# Altium PCB XRay PCB.PcbDoc (part 2 of 2)
Units mm, origin at the board's own origin, x right, y up, seen from the top; angles counter-clockwise.
Board outline 209.64 x 101.61 mm, 2 copper layers (Top Layer, Bottom Layer); 224 components, 167 nets, 646 pads, 278 vias.
Unrouted connection lines stored in the file: 112.
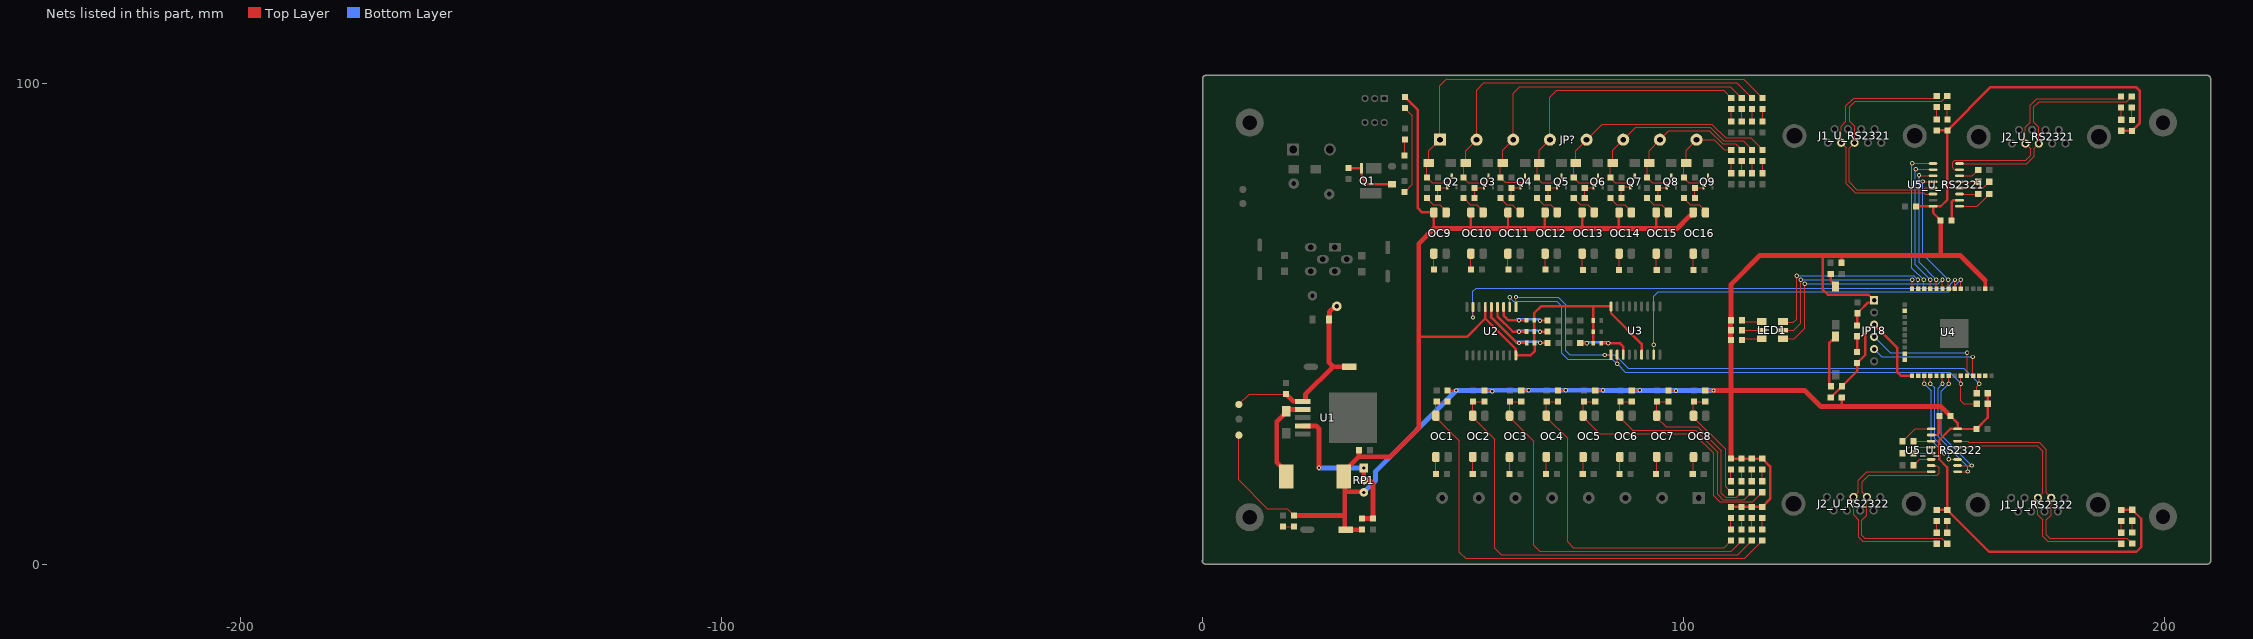
[diagram p2: the nets of this part, all layers, seen from the top]

## Via types
v1: diameter 0.9, hole 0.5, Top Layer to Bottom Layer, tented both sides, 278 vias

## Nets (pads, with @x,y where several pads share a name; then routed paths per layer and width w, separated by ;. In a path a pad name is that pad's centre, name@x,y a point inside that pad or via, vN(x,y) a via of type N, cw(c..) or ccw(c..) an arc to the next point about the centre after c; other vN are vias at no path point) (continued)
I2C2_A2: R73.1 SB4.2 U3.3 | length 12.5
  Top Layer w0.5: R73.1@78.484,46.126 78.509,46.1 79.855,46.1 v1(79.881,46.075) ; SB4.2@82.823,46.074 82.836,46.062 84.313,46.062 v1(84.326,46.049) 86.764,46.049 87.424,45.389 U3.3@87.424,43.691
  Bottom Layer w0.5: v1@79.55,46.303 79.563,46.291 83.983,46.291 v1@83.995,46.278
I2C_A0: R42.2 SB3.2 U2.5 | length 17.7
  Top Layer w0.5: U2.5@60.018,53.614 60.018,51.409 65.224,46.202 65.682,46.202 v1(65.758,46.126) SB3.2@67.366,46.126 ; v1(70.152,46.151) 70.165,46.138 71.638,46.138 R42.2@71.651,46.126
  Bottom Layer w0.5: v1@65.428,46.354 65.441,46.367 69.809,46.367 v1@69.822,46.38
I2C_A1: R43.2 SB2.2 U2.4 | length 15.2
  Top Layer w0.5: U2.4@61.288,53.614 61.288,51.663 64.463,48.488 v1(65.758,48.488) 65.771,48.501 67.302,48.501 SB2.2@67.315,48.514 ; v1(70.127,48.488) 70.14,48.5 71.638,48.5 R43.2@71.651,48.513
  Bottom Layer w0.5: v1@65.428,48.716 v1@69.797,48.716
I2C_A2: R44.1 SB1.2 U2.3 | length 12.9
  Top Layer w0.5: U2.3@62.558,53.614 62.558,51.815 63.548,50.825 v1(65.758,50.825) 65.777,50.843 67.296,50.843 SB1.2@67.315,50.862 ; v1(70.127,50.774) 70.152,50.799 71.626,50.799 R44.1@71.651,50.824
  Bottom Layer w0.5: v1@65.428,51.053 65.453,51.028 69.771,51.028 v1@69.797,51.002
InputeINT: U2.8 U4.7 | length 110.7
  Top Layer w0.254: v1(56.185,51.435) 56.196,51.446 56.196,53.603 U2.8@56.208,53.614 ; U4.7@156.347,57.381 156.388,57.422 v1(156.388,59.233)
  Bottom Layer w0.254: v1(56.185,51.435) 56.185,56.896 56.82,57.531 154.686,57.531 v1(156.388,59.233)
IO0: JP18.3 R91.1 R93.2 R94.2 U4.25 | length 34.1
  Top Layer w0.254: U4.25@147.457,39.347 U4.25@147.47,39.36
  Top Layer w0.5: R91.1@130.573,34.824 R93.2@132.885,37.135 136.06,40.31 R94.2@136.06,41.956 137.742,43.638 137.742,48.088 JP18.3@139.59,49.937 144.371,45.156 144.371,40.08 145.104,39.347 U4.25@147.457,39.347
IO12: LED1.5 U4.14 | length 38.3
  Top Layer w0.254: LED1.5@120.64,48.794 122.886,48.794 124.358,50.267 v1(124.358,59.258) ; U4.14@147.457,57.381 147.498,57.422 v1@147.498,59.182
  Bottom Layer w0.254: v1(124.358,59.258) 124.371,59.271 147.485,59.271 v1(147.498,59.284)
IO14: LED1.6 U4.13 | length 39.5
  Top Layer w0.254: LED1.6@120.752,50.394 122.809,50.394 123.495,51.079 v1(123.495,60.122) ; v1@148.692,59.233 148.692,57.417 U4.13@148.727,57.381
  Bottom Layer w0.254: v1(123.495,60.122) 147.853,60.122 v1(148.692,59.284)
IO33: LED1.4 U4.9 | length 45.5
  Top Layer w0.254: LED1.4@120.64,46.994 122.94,46.994 125.146,49.2 v1(125.146,58.42) ; v1@153.797,59.207 153.797,57.391 U4.9@153.807,57.381
  Bottom Layer w0.254: v1(125.146,58.42) 125.171,58.395 152.908,58.395 v1(153.797,59.284)
LM_In+: C1.2 E1.1 F1.1 F2.1 TP1.1 U1.1 | length 42.1
  Top Layer w0.254: TP1.1@7.516,33.349 9.671,35.505 C1.2@17.339,35.505
  Top Layer w1: C1.2@17.339,35.505 18.844,34 20.797,34 U1.1@20.799,34.001 21.34,34.001 21.365,34.026 21.365,35.44 27.101,41.176 ; F1.1@27.889,53.764 27.698,53.573 27.334,53.573 26.337,52.575 26.337,51.379 26.276,51.319 26.276,42.001 27.101,41.176 ; E1.1@30.491,41.176 27.101,41.176
LM_Out+: C2.2 C5.1 C7_U_RS2321.2 C7_U_RS2322.2 C9_U_RS2321.1 C9_U_RS2322.1 E2.1 JP18.1 L1.2 LED4.1 LED13.1 OC9.4 OC10.4 OC11.4 OC12.4 OC13.4 OC14.4 OC15.4 OC16.4 R1.1 R2.1 R3.1 R4.2 R5.2 R12.1 R13.1 R16.1 R17.1 R20.1 R21.1 R24.1 R25.1 R28.1 R29.1 R32.1 R33.1 R36.1 R37.1 R40.1 R41.1 R61.1 R62.1 R90.2 R91.2 R95_U_RS2321.1 R95_U_RS2322.1 R96_U_RS2321.1 R96_U_RS2322.1 R97_U_RS2321.1 R97_U_RS2322.1 R98_U_RS2321.1 R98_U_RS2322.1 RP1.2 SB1.1 SB2.1 SB3.1 SB4.1 SB5.1 SB6.1 TP2.1 U2.6 U2.18 U3.6 U3.18 U4.2 U5_U_RS2321.16 U5_U_RS2322.16 | length 784.7
  Top Layer w0.254: TP2.1@7.516,26.949 7.516,17.655 13.462,11.709 17.543,11.709 R5.2@19.021,10.232
  Top Layer w0.5: 43.382,95.883 LED4.1@42.034,97.23 44.729,94.535 44.729,74.168 45.621,73.276 OC9.4@48.057,73.276 48.057,69.926 ; 44.907,47.396 54.961,47.396 58.748,51.183 ; R12.1@50.899,36.245 v1(52.73,36.246) ; 55.76,69.995 OC10.4@55.76,73.276 ; R13.1@58.595,36.245 59.964,36.245 60.115,36.093 v1(60.223,36.093) ; U2.6@58.748,53.614 58.748,51.183 ; 63.464,70.013 OC11.4@63.464,73.276 ; R20.1@66.215,36.245 66.228,36.258 67.729,36.258 v1(67.742,36.271) ; 71.095,69.926 OC12.4@71.095,73.204 ; R21.1@73.886,36.245 73.912,36.271 75.463,36.271 v1(75.489,36.297) ; 78.871,70.202 OC13.4@78.871,73.276 ; SB4.1@81.198,46.074 SB5.1@81.198,48.462 81.198,53.741 ; R28.1@81.608,36.245 81.633,36.271 83.185,36.271 v1(83.21,36.297) ; 86.462,69.926 OC14.4@86.462,73.164 ; R29.1@89.202,36.245 89.215,36.258 90.868,36.258 v1(90.881,36.271) ; U3.6@91.234,43.691 91.234,45.951 84.884,52.301 U3.18@84.884,53.741 81.198,53.741 ; 94.278,69.944 OC15.4@94.278,73.276 ; R36.1@96.797,36.245 96.809,36.233 98.387,36.233 v1(98.4,36.22) ; R37.1@104.468,36.245 v1(106.197,36.246) ; R2.1@109.666,48.856 R2.1@109.83,48.693 ; R25.1@109.827,12.064 R24.1@112.014,12.064 R17.1@114.148,12.064 R16.1@116.332,12.064 117.958,13.69 117.958,20.472 R32.1@116.332,22.098 R33.1@114.148,22.098 R40.1@112.014,22.098 R41.1@109.827,22.098 ; 128.88,64.312 128.88,57.252 129.972,56.159 138.448,56.159 JP18.1@139.59,55.017 139.116,54.543 138.304,54.543 136.478,52.717 136.478,52.684 C5.1@136.093,52.299 136.06,52.299 LED13.1@136.06,49.803 ; R90.2@132.834,62.815 132.834,64.312 ; 132.859,32.901 R91.2@132.859,34.824 ; C9_U_RS2321.1@148.285,74.524 151.17,74.524 151.196,74.549 U5_U_RS2321.16@151.834,74.549 ; R97_U_RS2322.1@152.603,11.429 R98_U_RS2322.1@154.788,11.429 ; R96_U_RS2321.1@152.603,90.322 R95_U_RS2321.1@154.813,90.322 ; 153.416,64.363 153.467,64.312 ; C7_U_RS2321.2@153.416,71.628 151.834,73.21 U5_U_RS2321.16@151.834,74.549 ; C7_U_RS2322.2@155.423,30.988 156.928,29.483 U5_U_RS2322.16@156.928,28.27 ; R62.1@163.195,35.687 R61.1@163.195,33.503 163.195,30.607 C9_U_RS2322.1@160.833,28.245 157.592,28.245 157.567,28.27 U5_U_RS2322.16@156.928,28.27 ; R95_U_RS2322.1@190.957,11.429 190.97,11.442 193.256,11.442 195.123,9.575 195.123,3.734 194.107,2.718 163.499,2.718 R98_U_RS2322.1@154.788,11.429 ; R98_U_RS2321.1@190.957,90.245 190.983,90.22 193.142,90.22 R97_U_RS2321.1@193.167,90.195 194.843,91.871 194.843,98.501 194.031,99.314 163.805,99.314 R95_U_RS2321.1@154.813,90.322 154.813,75.921 153.432,74.539 151.844,74.539 U5_U_RS2321.16@151.834,74.549 ; 58.748,51.183 65.098,44.833 U2.18@65.098,43.564 68.177,43.564 68.991,44.379 SB3.1@68.991,46.126 68.966,46.152 68.966,50.837 SB1.1@68.941,50.862 68.941,52.354 70.328,53.741 81.198,53.741 ; R98_U_RS2322.1@154.788,11.429 154.788,20.269 153.111,21.946 153.111,25.959 155.423,28.27 U5_U_RS2322.16@156.928,28.27
  Top Layer w0.8: U4.2@162.697,57.381 162.697,59.121
  Top Layer w1: R5.2@19.021,10.232 29.476,10.232 29.545,10.162 ; L1.2@29.545,17.153 29.545,10.162 ; C2.2@32.483,23.821 32.446,23.784 32.446,22.467 ; R4.2@33.092,7.311 29.695,7.311 29.545,7.461 29.545,10.162 ; RP1.2@33.499,15.058 33.346,15.211 29.596,15.211 29.596,18.102 L1.2@29.339,18.36 29.339,19.36 32.446,22.467 ; 55.76,69.995 55.829,69.926 ; 63.464,70.013 63.551,69.926 ; OC12.4@71.095,73.204 OC12.4@71.167,73.276 ; 78.871,70.202 79.146,69.926 ; OC14.4@86.462,73.164 OC14.4@86.574,73.276 ; 94.278,69.944 94.259,69.926 ; OC16.4@101.981,73.276 101.981,73.074 101.457,72.549 101.254,72.549 98.631,69.926 94.259,69.926 ; v1(106.197,36.246) 109.804,36.246 ; R3.1@109.728,47.092 R1.1@109.728,50.852 ; R3.1@109.804,46.711 109.804,36.246 ; R1.1@109.804,50.852 109.804,58.268 115.849,64.312 128.268,64.312 128.88,64.312 132.834,64.312 153.467,64.312 157.506,64.312 162.697,59.121 ; R41.1@109.827,22.098 109.804,22.121 109.804,36.246 ; 153.416,64.363 C7_U_RS2321.2@153.416,71.628 ; C7_U_RS2322.2@155.423,30.988 153.509,32.901 132.859,32.901 128.541,32.901 125.197,36.246 109.804,36.246 ; 32.446,22.467 39.002,22.467 44.907,28.372 44.907,47.396 44.907,66.777 48.057,69.926 55.829,69.926 ; 55.829,69.926 63.551,69.926 ; 63.551,69.926 71.095,69.926 79.146,69.926 ; 79.146,69.926 86.462,69.926 94.259,69.926
  Bottom Layer w1: RP1.2@33.499,15.058 35.941,17.5 35.941,19.456 v1(52.73,36.246) 59.963,36.246 60.115,36.093 v1(60.223,36.093) ; v1@60.535,36.297 v1(75.489,36.297) v1(83.21,36.297) 83.236,36.271 v1(90.881,36.271) 106.172,36.271 v1(106.197,36.246)
NetC6_U_RS2321_1: C6_U_RS2321.1 U5_U_RS2321.3 | length 3.9
  Top Layer w0.254: U5_U_RS2321.3@157.334,77.089 C6_U_RS2321.1@161.239,77.089
NetC6_U_RS2321_2: C6_U_RS2321.2 U5_U_RS2321.1 | length 7.2
  Top Layer w0.254: U5_U_RS2321.1@157.334,74.549 160.985,74.549 C6_U_RS2321.2@163.525,77.089
NetC6_U_RS2322_1: C6_U_RS2322.1 U5_U_RS2322.3 | length 3.6
  Top Layer w0.254: C6_U_RS2322.1@147.803,25.705 147.828,25.73 U5_U_RS2322.3@151.428,25.73
NetC6_U_RS2322_2: C6_U_RS2322.2 U5_U_RS2322.1 | length 7
  Top Layer w0.254: C6_U_RS2322.2@145.517,25.705 148.082,28.27 U5_U_RS2322.1@151.428,28.27
NetC7_U_RS2321_1: C7_U_RS2321.1 U5_U_RS2321.2 | length 5.6
  Top Layer w0.5: C7_U_RS2321.1@155.702,71.628 155.702,75.413 156.108,75.819 U5_U_RS2321.2@157.334,75.819
NetC7_U_RS2322_1: C7_U_RS2322.1 U5_U_RS2322.2 | length 5.5
  Top Layer w0.5: U5_U_RS2322.2@151.428,27 152.73,27 153.137,27.407 C7_U_RS2322.1@153.137,30.988
NetC8_U_RS2321_1: C8_U_RS2321.1 U5_U_RS2321.4 | length 6.7
  Top Layer w0.254: U5_U_RS2321.4@157.334,78.359 162.23,78.359 C8_U_RS2321.1@163.525,79.654
NetC8_U_RS2321_2: C8_U_RS2321.2 U5_U_RS2321.5 | length 3.9
  Top Layer w0.254: U5_U_RS2321.5@157.334,79.629 161.214,79.629 C8_U_RS2321.2@161.239,79.654
NetC8_U_RS2322_1: C8_U_RS2322.1 U5_U_RS2322.4 | length 6.4
  Top Layer w0.254: C8_U_RS2322.1@145.517,23.216 146.761,24.46 U5_U_RS2322.4@151.428,24.46
NetC8_U_RS2322_2: C8_U_RS2322.2 U5_U_RS2322.5 | length 3.6
  Top Layer w0.254: C8_U_RS2322.2@147.803,23.216 147.828,23.19 U5_U_RS2322.5@151.428,23.19
NetC10_U_RS2321_1: C10_U_RS2321.1 U5_U_RS2321.6 | length 4.4
  Top Layer w0.254: U5_U_RS2321.6@157.334,80.899 160.02,80.899 C10_U_RS2321.1@161.239,82.118
NetC10_U_RS2322_1: C10_U_RS2322.1 U5_U_RS2322.6 | length 4.1
  Top Layer w0.254: C10_U_RS2322.1@147.803,20.701 149.022,21.92 U5_U_RS2322.6@151.428,21.92
NetL1_1: L1.1 U1.2 VD1.2 | length 18.8
  Top Layer w0.5: VD1.2@17.339,31.963 VD1.2@17.677,32.301
  Top Layer w1: L1.1@17.339,18.36 17.339,19.36 15.392,21.307 15.392,29.791 17.339,31.738 VD1.2@17.339,31.963 ; VD1.2@17.677,32.301 U1.2@20.799,32.301
NetLED1_1: LED1.1 R1.2 | length 4.3
  Top Layer w0.254: R1.2@112.09,50.852 112.347,50.594 LED1.1@116.24,50.594
NetLED1_2: LED1.2 R2.2 | length 4.2
  Top Layer w0.254: R2.2@112.09,48.769 112.116,48.794 LED1.2@116.24,48.794
NetLED1_3: LED1.3 R3.2 | length 4.3
  Top Layer w0.254: R3.2@112.09,46.711 112.373,46.994 LED1.3@116.24,46.994
NetLED2_1: LED2.1 R5.1 | length 2.3
  Top Layer w0.254: LED2.1@16.735,7.946 R5.1@19.021,7.946
NetLED3_2: LED3.2 R8.1 | length 3.3
  Top Layer w0.254: R8.1@42.009,85.14 LED3.2@42.009,88.391
  Top Layer w1: R8.1@41.984,85.115 R8.1@42.009,85.14 ; LED3.2@42.009,88.391 LED3.2@42.035,88.417
NetLED4_2: LED4.2 R9.1 | length 18.8
  Top Layer w0.254: R9.1@41.984,77.494 43.612,79.123 43.612,93.367 LED4.2@42.034,94.944
NetLED5_1: LED5.1 R16.2 | length 2.5
  Top Layer w0.254: LED5.1@116.332,7.314 R16.2@116.332,9.778
NetLED5_2: LED5.2 OC1.4 R12.2 R14.2 | length 100.6
  Top Layer w0.254: R12.2@50.899,33.959 R14.2@48.666,33.959 48.489,33.781 OC1.4@48.489,31.011 48.489,30.731 53.365,25.854 53.365,2.667 54.661,1.372 112.675,1.372 LED5.2@116.332,5.028
NetLED6_1: LED6.1 R17.2 | length 2.5
  Top Layer w0.254: LED6.1@114.148,7.314 R17.2@114.148,9.778
NetLED6_2: LED6.2 OC2.4 R13.2 R15.2 | length 90
  Top Layer w0.254: R13.2@58.595,33.959 R15.2@56.233,33.959 56.138,33.864 OC2.4@56.138,31.011 56.138,30.731 60.731,26.137 60.731,3.404 62.052,2.083 111.202,2.083 113.64,4.52 LED6.2@114.148,5.028
NetLED7_1: LED7.1 R24.2 | length 2.5
  Top Layer w0.254: LED7.1@112.014,7.314 R24.2@112.014,9.778
NetLED7_2: LED7.2 OC3.4 R20.2 R22.2 | length 79
  Top Layer w0.254: R20.2@66.215,33.959 R22.2@63.853,33.959 63.787,33.893 OC3.4@63.787,31.011 63.787,30.731 68.809,25.709 68.809,4.089 70.053,2.845 109.83,2.845 LED7.2@112.014,5.028
NetLED8_1: LED8.1 R25.2 | length 2.5
  Top Layer w0.254: LED8.1@109.827,7.314 R25.2@109.827,9.778
NetLED8_2: LED8.2 OC4.4 R21.2 R23.2 | length 68.4
  Top Layer w0.254: R21.2@73.886,33.959 R23.2@71.524,33.959 71.436,33.871 OC4.4@71.436,31.011 71.436,30.731 75.844,26.322 75.844,4.801 77.038,3.607 108.405,3.607 LED8.2@109.827,5.028
NetLED9_1: LED9.1 R32.2 | length 2.4
  Top Layer w0.254: LED9.1@116.332,17.374 R32.2@116.332,19.812
NetLED9_2: LED9.2 OC5.4 R28.2 R30.2 | length 56.2
  Top Layer w0.254: R28.2@81.608,33.959 R30.2@79.245,33.959 79.085,33.798 79.085,30.719 82.525,27.28 102.133,27.28 106.197,23.216 106.197,14.376 107.467,13.106 114.351,13.106 LED9.2@116.332,15.088
NetLED10_1: LED10.1 R33.2 | length 2.4
  Top Layer w0.254: LED10.1@114.148,17.374 R33.2@114.148,19.812
NetLED10_2: LED10.2 OC6.4 R29.2 R31.2 | length 45.9
  Top Layer w0.254: R29.2@89.202,33.959 R31.2@86.84,33.959 86.734,33.853 86.734,30.69 89.433,27.991 102.464,27.991 107.036,23.419 107.036,14.656 108.128,13.564 112.624,13.564 LED10.2@114.148,15.088
NetLED11_1: LED11.1 R40.2 | length 2.4
  Top Layer w0.254: LED11.1@112.014,17.374 R40.2@112.014,19.812
NetLED11_2: LED11.2 OC7.4 R36.2 R38.2 | length 35.8
  Top Layer w0.254: R36.2@96.797,33.959 R38.2@94.435,33.959 94.383,33.907 94.383,30.636 96.317,28.702 102.922,28.702 107.848,23.775 107.848,14.91 108.712,14.046 110.973,14.046 LED11.2@112.014,15.088
NetLED12_1: LED12.1 R41.2 | length 2.4
  Top Layer w0.254: LED12.1@109.827,17.374 R41.2@109.827,19.812
NetLED12_2: LED12.2 OC8.4 R37.2 R39.2 | length 24.5
  Top Layer w0.254: R37.2@104.468,33.959 R39.2@102.105,33.959 102.032,33.885 102.032,30.658 108.687,24.003 108.687,16.228 LED12.2@109.827,15.088
NetLED13_2: LED13.2 R94.1 | length 3.3
  Top Layer w0.5: R94.1@136.06,44.242 LED13.2@136.06,47.517
NetLED14_U_RS2321_1: LED14_U_RS2321.1 R95_U_RS2321.2 | length 2.6
  Top Layer w0.254: LED14_U_RS2321.1@154.788,95.148 154.788,92.582 R95_U_RS2321.2@154.813,92.557
NetLED14_U_RS2322_1: LED14_U_RS2322.1 R95_U_RS2322.2 | length 2.5
  Top Layer w0.254: LED14_U_RS2322.1@190.957,6.679 R95_U_RS2322.2@190.957,9.143
NetLED15_U_RS2321_1: LED15_U_RS2321.1 R96_U_RS2321.2 | length 2.6
  Top Layer w0.254: R96_U_RS2321.2@152.603,92.608 LED15_U_RS2321.1@152.603,95.199
NetLED15_U_RS2322_1: LED15_U_RS2322.1 R96_U_RS2322.2 | length 2.5
  Top Layer w0.254: LED15_U_RS2322.1@193.243,6.705 R96_U_RS2322.2@193.243,9.169
NetLED16_U_RS2321_1: LED16_U_RS2321.1 R97_U_RS2321.2 | length 2.6
  Top Layer w0.254: LED16_U_RS2321.1@193.142,95.071 193.142,92.506 R97_U_RS2321.2@193.167,92.481
NetLED16_U_RS2322_1: LED16_U_RS2322.1 R97_U_RS2322.2 | length 2.5
  Top Layer w0.254: LED16_U_RS2322.1@152.603,6.679 R97_U_RS2322.2@152.603,9.143
NetLED17_U_RS2321_1: LED17_U_RS2321.1 R98_U_RS2321.2 | length 2.6
  Top Layer w0.254: LED17_U_RS2321.1@190.932,95.098 190.932,92.557 R98_U_RS2321.2@190.957,92.531
NetLED17_U_RS2322_1: LED17_U_RS2322.1 R98_U_RS2322.2 | length 2.5
  Top Layer w0.254: LED17_U_RS2322.1@154.788,6.679 R98_U_RS2322.2@154.788,9.143
NetLEDR1_1: LEDR1.1 R45.1 | length 2.6
  Top Layer w0.254: R45.1@116.383,92.177 LEDR1.1@116.383,94.767
NetLEDR2_1: LEDR2.1 R46.1 | length 2.6
  Top Layer w0.254: R46.1@114.198,92.177 LEDR2.1@114.198,94.767
NetLEDR3_1: LEDR3.1 R55.1 | length 2.6
  Top Layer w0.254: R55.1@112.065,92.177 LEDR3.1@112.065,94.767
NetLEDR4_1: LEDR4.1 R58.1 | length 2.6
  Top Layer w0.254: R58.1@109.88,92.114 LEDR4.1@109.88,94.705
NetLEDR5_1: LEDR5.1 R67.1 | length 2.6
  Top Layer w0.254: R67.1@116.383,81.407 LEDR5.1@116.383,83.998
NetLEDR6_1: LEDR6.1 R70.1 | length 2.6
  Top Layer w0.254: R70.1@114.198,81.407 LEDR6.1@114.198,83.998
NetLEDR7_1: LEDR7.1 R80.1 | length 2.6
  Top Layer w0.254: R80.1@112.065,81.407 LEDR7.1@112.065,83.998
NetLEDR8_1: LEDR8.1 R83.1 | length 2.6
  Top Layer w0.254: R83.1@109.878,81.407 LEDR8.1@109.878,83.998
NetOC1_1: OC1.1 R10.1 | length 3.6
  Top Layer w0.254: OC1.1@48.489,22.431 48.489,19.304 R10.1@48.844,18.948
NetOC2_1: OC2.1 R11.1 | length 3.6
  Top Layer w0.254: OC2.1@56.138,22.431 56.138,19.278 R11.1@56.468,18.948
NetOC3_1: OC3.1 R18.1 | length 3.6
  Top Layer w0.254: OC3.1@63.787,22.431 63.787,19.253 R18.1@64.091,18.948
NetOC4_1: OC4.1 R19.1 | length 3.6
  Top Layer w0.254: OC4.1@71.436,22.431 71.436,19.228 R19.1@71.715,18.948
NetOC5_1: OC5.1 R26.1 | length 3.5
  Top Layer w0.254: R26.1@79.008,18.923 79.085,18.999 OC5.1@79.085,22.431
NetOC6_1: OC6.1 R27.1 | length 3.6
  Top Layer w0.254: R27.1@86.632,18.923 86.734,19.025 OC6.1@86.734,22.431
NetOC7_1: OC7.1 R34.1 | length 3.6
  Top Layer w0.254: R34.1@94.256,18.923 94.383,19.05 OC7.1@94.383,22.431
NetOC8_1: OC8.1 R35.1 | length 3.6
  Top Layer w0.254: R35.1@101.879,18.923 102.032,19.075 OC8.1@102.032,22.431
NetOC9_1: OC9.1 R47.1 | length 3.3
  Top Layer w0.254: R47.1@48.057,61.366 OC9.1@48.057,64.696
NetOC9_3: OC9.3 R51.2 | length 5.4
  Top Layer w0.254: R51.2@46.609,76.251 47.963,74.897 49.257,74.897 50.597,73.556 OC9.3@50.597,73.276
NetOC10_1: OC10.1 R49.1 | length 3.3
  Top Layer w0.254: OC10.1@55.76,64.696 55.76,61.406 R49.1@55.8,61.366
NetOC10_3: OC10.3 R52.2 | length 5.5
  Top Layer w0.254: R52.2@54.229,76.276 55.596,74.909 56.947,74.909 58.3,73.556 OC10.3@58.3,73.276
NetOC11_1: OC11.1 R56.1 | length 3.4
  Top Layer w0.254: OC11.1@63.464,64.696 63.464,61.446 R56.1@63.543,61.366
NetOC11_3: OC11.3 R63.2 | length 5.4
  Top Layer w0.254: R63.2@61.871,76.251 63.225,74.897 64.383,74.897 65.23,74.051 65.366,74.051 66.004,73.413 OC11.3@66.004,73.276
NetOC12_1: OC12.1 R59.1 | length 3.4
  Top Layer w0.254: OC12.1@71.167,64.696 71.167,61.486 R59.1@71.287,61.366
NetOC12_3: OC12.3 R64.2 | length 5.6
  Top Layer w0.254: R64.2@69.502,76.251 70.856,74.897 72.367,74.897 73.707,73.556 OC12.3@73.707,73.276
NetOC13_1: OC13.1 R68.1 | length 3.4
  Top Layer w0.254: OC13.1@78.871,64.696 78.871,61.54 R68.1@79.07,61.341
NetOC13_3: OC13.3 R76.2 | length 5.7
  Top Layer w0.254: R76.2@77.133,76.251 78.487,74.897 80.07,74.897 81.411,73.556 OC13.3@81.411,73.276
NetOC14_1: OC14.1 R74.1 | length 3.4
  Top Layer w0.254: R74.1@86.563,61.341 86.574,61.352 OC14.1@86.574,64.696
NetOC14_3: OC14.3 R77.2 | length 5.7
  Top Layer w0.254: R77.2@84.764,76.251 86.118,74.897 87.774,74.897 89.114,73.556 OC14.3@89.114,73.276
NetOC15_1: OC15.1 R81.1 | length 3.4
  Top Layer w0.254: OC15.1@94.278,64.696 94.278,61.424 R81.1@94.386,61.316
NetOC15_3: OC15.3 R86.2 | length 5.8
  Top Layer w0.254: R86.2@92.394,76.251 93.749,74.897 95.477,74.897 96.818,73.556 OC15.3@96.818,73.276
NetOC16_1: OC16.1 R84.1 | length 3.4
  Top Layer w0.254: OC16.1@101.981,64.696 101.981,61.341 R84.1@102.006,61.316
NetOC16_3: OC16.3 R87.2 | length 5.9
  Top Layer w0.254: R87.2@100.025,76.251 101.379,74.897 103.181,74.897 104.521,73.556 OC16.3@104.521,73.276
NetQ1_4: Q1.4 R7.2 Z1.1 | length 12.4
  Top Layer w0.5: R7.2@30.635,82.275 30.859,82.498 R7.2@30.593,82.498 ; Z1.1@39.342,79.145 34.429,79.145 33.018,80.556 Q1.4@33.018,82.457 30.635,82.457 R7.2@30.593,82.498 ; R7.2@30.593,82.498 R7.2@30.325,82.498 R7.2@30.593,82.498
NetQ2_1: Q2.1 R48.2 R51.1 | length 4.2
  Top Layer w0.254: R51.1@48.895,76.251 R48.2@48.895,78.359 ; R48.2@48.895,78.359 50.743,78.359 50.841,78.457 Q2.1@50.841,78.562
NetQ3_1: Q3.1 R50.2 R52.1 | length 4.2
  Top Layer w0.254: R52.1@56.515,76.276 R50.2@56.515,78.384 ; R50.2@56.515,78.384 58.348,78.384 58.446,78.482 Q3.1@58.446,78.562
NetQ4_1: Q4.1 R57.2 R63.1 | length 4.1
  Top Layer w0.254: R63.1@64.157,76.251 R57.2@64.157,78.359 ; R57.2@64.157,78.359 65.954,78.359 66.052,78.457 Q4.1@66.052,78.562
NetQ5_1: Q5.1 R60.2 R64.1 | length 4.1
  Top Layer w0.254: R64.1@71.788,76.251 R60.2@71.787,78.359 73.559,78.359 73.657,78.457 Q5.1@73.657,78.562
NetQ6_1: Q6.1 R69.2 R76.1 | length 4.1
  Top Layer w0.254: R76.1@79.419,76.251 R69.2@79.418,78.359 81.165,78.359 81.263,78.457 Q6.1@81.263,78.562
NetQ7_1: Q7.1 R75.2 R77.1 | length 4
  Top Layer w0.254: R77.1@87.05,76.251 R75.2@87.049,78.359 87.253,78.562 Q7.1@88.868,78.562
NetQ8_1: Q8.1 R82.2 R86.1 | length 4
  Top Layer w0.254: R86.1@94.68,76.251 R82.2@94.68,78.359 96.376,78.359 96.474,78.457 Q8.1@96.474,78.562
NetQ9_1: Q9.1 R85.2 R87.1 | length 4
  Top Layer w0.254: R87.1@102.311,76.251 R85.2@102.311,78.359 103.981,78.359 104.079,78.457 Q9.1@104.079,78.562
NetR4_1: R4.1 R6.2 RP1.1 RP1.ADJ U1.4 | length 35.4
  Top Layer w0.254: R4.1@33.147,9.652 R4.1@33.172,9.627
  Top Layer w1: U1.4@20.799,28.901 23.594,28.901 24.18,28.315 v1(24.18,20.17) ; R4.1@33.172,9.627 R6.2@35.433,9.627 35.433,16.865 34.847,17.451 33.646,17.451 RP1.ADJ@33.499,17.598 RP1.1@33.499,20.138
  Bottom Layer w1: v1(24.18,20.17) 33.467,20.17 RP1.1@33.499,20.138
NetR92_1: R92.1 SW2.1 | length 3.1
  Top Layer w0.5: R92.1@130.556,60.479 130.556,59.094 131.039,58.611 131.072,58.611 131.572,58.111 SW2.1@131.572,57.861
NetR93_1: R93.1 SW3.1 | length 11.2
  Top Layer w0.5: R93.1@130.599,37.135 130.249,37.486 130.249,46.158 130.822,46.731 131.072,46.731 131.572,47.231 SW3.1@131.572,47.481
NetU4_16: U4.16
NetU4_23: U4.23
NetU4_24: U4.24
NetU4_26: U4.26
NetU4_29: U4.29
NetU4_37: U4.37
OutputINT: U3.8 U4.6 | length 79.3
  Top Layer w0.254: U3.8@93.774,43.691 U3.8@93.774,43.691 93.776,45.744 v1(93.777,45.745) ; v1(157.607,59.258) 157.607,57.391 U4.6@157.617,57.381
  Bottom Layer w0.254: v1(93.777,45.745) 93.777,55.855 94.666,56.744 155.118,56.744 v1@157.607,59.233
ROUT1: D1.1 JP?.1@49.327,88.392 LEDR1.2 Q2.3 R53.2 | length 96.3
  Top Layer w0.254: Q2.3@51.791,80.83 51.74,80.779 51.74,79.781 51.384,79.426 47.676,79.426 R53.2@46.609,80.493 46.609,83.148 D1.1@47.001,83.541 47.001,86.067 JP?.1@49.327,88.392 49.327,99.619 50.673,100.965 112.471,100.965 LEDR1.2@116.383,97.053
ROUT2: D2.1 JP?.2@56.947,88.392 LEDR2.2 Q3.3 R54.2 | length 85.2
  Top Layer w0.254: Q3.3@59.396,80.83 59.396,79.868 59.004,79.477 55.256,79.477 R54.2@54.24,80.493 54.24,83.083 D2.1@54.698,83.541 54.698,86.143 JP?.2@56.947,88.392 56.947,98.704 58.42,100.178 111.074,100.178 LEDR2.2@114.198,97.053
ROUT3: D3.1 JP?.3@64.567,88.392 LEDR3.2 Q4.3 R65.2 | length 74.5
  Top Layer w0.254: Q4.3@67.002,80.83 67.031,80.801 67.031,79.832 66.7,79.502 62.862,79.502 R65.2@61.871,80.493 61.871,82.992 D3.1@62.419,83.541 62.419,86.244 JP?.3@64.567,88.392 64.567,98.095 65.913,99.441 109.677,99.441 LEDR3.2@112.065,97.053
ROUT4: D4.1 JP?.4@72.187,88.392 LEDR4.2 Q5.3 R66.2 | length 63.1
  Top Layer w0.254: D4.1@69.988,83.058 69.952,83.095 69.804,83.095 69.502,82.793 R66.2@69.502,80.493 70.518,79.477 74.295,79.477 74.607,79.789 Q5.3@74.607,80.83 ; D4.1@69.988,83.541 69.988,86.194 JP?.4@72.187,88.392 72.187,97.18 73.635,98.628 108.303,98.628 LEDR4.2@109.878,97.053
ROUT5: D5.1 JP?.5@79.807,88.392 LEDR5.2 Q6.3 R78.2 | length 55.8
  Top Layer w0.254: Q6.3@82.213,80.83 82.245,80.798 82.245,79.883 81.839,79.477 78.149,79.477 R78.2@77.133,80.493 77.133,83.116 77.57,83.553 77.57,86.125 79.807,88.362 JP?.5@79.807,88.392 83.033,91.618 105.867,91.618 108.737,88.748 113.919,88.748 LEDR5.2@116.383,86.284
ROUT6: D6.1 JP?.6@87.427,88.392 LEDR6.2 Q7.3 R79.2 | length 45.4
  Top Layer w0.254: Q7.3@89.818,80.83 89.84,80.808 89.84,79.858 89.459,79.477 85.78,79.477 R79.2@84.764,80.493 84.764,83.05 D6.1@85.254,83.541 85.254,86.219 JP?.6@87.427,88.392 89.992,90.957 105.537,90.957 108.356,88.138 112.344,88.138 LEDR6.2@114.198,86.284
ROUT7: D7.1 JP?.7@95.047,88.392 LEDR7.2 Q8.3 R88.2 | length 35.1
  Top Layer w0.254: Q8.3@97.424,80.83 97.46,80.794 97.46,79.858 97.079,79.477 93.41,79.477 R88.2@92.394,80.493 92.394,83.137 D7.1@92.798,83.541 92.798,86.143 JP?.7@95.047,88.392 96.926,90.272 105.334,90.272 108.102,87.503 110.846,87.503 LEDR7.2@112.065,86.284
ROUT8: D8.1 JP?.8@102.667,88.392 LEDR8.2 Q9.3 R89.2 | length 23.6
  Top Layer w0.254: Q9.3@105.029,80.83 105.029,79.858 104.648,79.477 101.041,79.477 R89.2@100.025,80.493 100.025,83.072 D8.1@100.494,83.541 100.494,86.219 JP?.8@102.667,88.392 106.35,88.392 108.458,86.284 LEDR8.2@109.878,86.284
RS232_RX_1: U4.27 U5_U_RS2322.12 | length 20.6
  Top Layer w0.254: U4.27@149.997,39.347 150.012,39.332 v1(150.012,37.668) ; v1(154.178,23.19) U5_U_RS2322.12@156.928,23.19
  Bottom Layer w0.254: v1(150.012,37.668) 151.46,36.22 151.46,25.908 v1(154.178,23.19)
RS232_RX_1_U_RS2321: J1_U_RS2321.2 LED15_U_RS2321.2 U5_U_RS2321.14 | length 55.7
  Top Layer w0.254: U5_U_RS2321.14@151.834,77.089 150.216,77.089 149.936,77.368 135.611,77.368 133.756,79.223 133.756,86.733 132.747,87.743 132.747,91.192 133.731,92.177 133.731,95.402 135.331,97.003 152.12,97.003 LED15_U_RS2321.2@152.603,97.485
RS232_RX_1_U_RS2322: J1_U_RS2322.2 LED15_U_RS2322.2 U5_U_RS2322.14 | length 56.3
  Top Layer w0.254: U5_U_RS2322.14@156.928,25.73 159.004,25.73 159.283,25.451 173.888,25.451 175.387,23.952 175.387,14.947 J1_U_RS2322.2@176.394,13.94 176.394,10.343 175.412,9.361 175.412,6.223 176.073,5.563 192.099,5.563 LED15_U_RS2322.2@193.243,4.419
RS232_RX_2: U4.30 U5_U_RS2322.9 | length 25
  Top Layer w0.254: v1(153.797,37.668) 153.797,39.337 U4.30@153.807,39.347 ; U5_U_RS2322.9@156.928,19.38 156.941,19.393 159.017,19.393 v1(159.029,19.406)
  Bottom Layer w0.254: v1(153.797,37.668) 152.883,36.754 152.883,26.592 159.029,20.446 v1(159.029,19.406)
RS232_RX_2_U_RS2321: J2_U_RS2321.2 LED17_U_RS2321.2 U5_U_RS2321.7 | length 50.5
  Top Layer w0.254: U5_U_RS2321.7@157.334,82.169 156.261,82.169 155.905,82.525 155.905,83.718 156.312,84.125 171.12,84.125 172.11,85.115 172.11,86.525 J2_U_RS2321.2@171.051,87.584 171.051,90.99 172.034,91.973 172.034,95.529 173.406,96.901 190.449,96.901 LED17_U_RS2321.2@190.932,97.384
RS232_RX_2_U_RS2322: J2_U_RS2322.2 LED17_U_RS2322.2 U5_U_RS2322.7 | length 50.3
  Top Layer w0.254: U5_U_RS2322.7@151.428,20.641 151.418,20.641 U5_U_RS2322.7@151.428,20.65 152.654,20.65 153.162,20.142 153.162,19.075 152.705,18.618 138.481,18.618 137.135,17.272 137.135,15.072 J2_U_RS2322.2@138.089,14.118 138.074,14.103 138.074,10.338 137.033,9.296 137.033,6.121 137.617,5.537 153.644,5.537 LED17_U_RS2322.2@154.788,4.393
RS232_RX_3: U4.8 U5_U_RS2321.12 | length 26.7
  Top Layer w0.254: v1(149.682,79.705) 149.72,79.667 151.796,79.667 U5_U_RS2321.12@151.834,79.629 ; v1(154.991,59.258) 154.991,57.467 U4.8@155.077,57.381
  Bottom Layer w0.254: v1(149.682,79.705) 149.682,64.567 v1(154.991,59.258)
RS232_RX_4: U4.12 U5_U_RS2321.9 | length 31.5
  Top Layer w0.254: v1(147.498,83.464) 147.511,83.452 151.822,83.452 U5_U_RS2321.9@151.834,83.439 ; v1(149.885,59.284) 149.885,57.493 U4.12@149.997,57.381
  Bottom Layer w0.254: v1(147.498,83.464) 147.454,83.421 147.454,61.715 v1(149.885,59.284)
RS232_TX_1: U4.28 U5_U_RS2322.11 | length 20.8
  Top Layer w0.254: U4.28@151.267,39.347 151.282,39.332 v1(151.282,37.668) ; v1(155.092,21.971) 155.118,21.946 156.903,21.946 U5_U_RS2322.11@156.928,21.92
  Bottom Layer w0.254: v1(151.282,37.668) 152.171,36.779 152.171,26.264 155.092,23.343 v1(155.092,21.971)
RS232_TX_1_U_RS2321: J1_U_RS2321.3 LED14_U_RS2321.2 U5_U_RS2321.13 | length 55.6
  Top Layer w0.254: U5_U_RS2321.13@151.834,78.359 150.216,78.359 149.885,78.029 135.992,78.029 134.417,79.604 134.417,86.659 J1_U_RS2321.3@135.52,87.762 135.52,91.201 134.493,92.227 134.493,95.199 135.661,96.368 153.619,96.368 LED14_U_RS2321.2@154.508,97.257
RS232_TX_1_U_RS2322: J1_U_RS2322.3 LED14_U_RS2322.2 U5_U_RS2322.13 | length 53.7
  Top Layer w0.254: U5_U_RS2322.13@156.928,24.46 159.055,24.46 159.334,24.74 173.482,24.74 174.625,23.597 174.625,14.944 J1_U_RS2322.3@173.621,13.94 173.621,10.377 174.6,9.398 174.6,5.969 175.692,4.877 190.474,4.877 LED14_U_RS2322.2@190.957,4.393
RS232_TX_2: U4.31 U5_U_RS2322.10 | length 24.9
  Top Layer w0.254: U4.31@155.077,39.347 155.092,39.332 v1(155.092,37.668) ; U5_U_RS2322.10@156.928,20.65 v1(159.868,20.65)
  Bottom Layer w0.254: v1(155.092,37.668) 153.568,36.144 153.568,26.949 v1(159.868,20.65)
RS232_TX_2_U_RS2321: J2_U_RS2321.3 LED16_U_RS2321.2 U5_U_RS2321.8 | length 48.5
  Top Layer w0.254: U5_U_RS2321.8@157.334,83.439 171.298,83.439 172.822,84.963 172.822,86.581 J2_U_RS2321.3@173.824,87.584 ; J2_U_RS2321.3@173.824,87.5 173.824,91.022 172.796,92.05 172.796,95.199 173.863,96.266 192.05,96.266 LED16_U_RS2321.2@193.142,97.357
RS232_TX_2_U_RS2322: J2_U_RS2322.3 LED16_U_RS2322.2 U5_U_RS2322.8 | length 45.4
  Top Layer w0.254: U5_U_RS2322.8@151.428,19.38 138.074,19.38 136.296,17.602 136.296,15.098 J2_U_RS2322.3@135.316,14.118 135.316,10.378 136.373,9.322 136.373,5.74 137.236,4.877 152.12,4.877 LED16_U_RS2322.2@152.603,4.393
RS232_TX_3: U4.10 U5_U_RS2321.11 | length 28
  Top Layer w0.254: v1(148.92,80.975) 148.958,80.937 151.796,80.937 U5_U_RS2321.11@151.834,80.899 ; v1(152.502,59.284) 152.502,57.417 U4.10@152.537,57.381
  Bottom Layer w0.254: v1(148.92,80.975) 148.92,62.865 v1(152.502,59.284)
RS232_TX_4: U4.11 U5_U_RS2321.10 | length 29.8
  Top Layer w0.254: v1(148.209,82.22) 148.234,82.194 151.809,82.194 U5_U_RS2321.10@151.834,82.169 ; v1(151.231,59.283) 151.231,57.417 U4.11@151.267,57.381
  Bottom Layer w0.254: v1(148.209,82.22) 148.165,82.176 148.165,62.349 v1(151.231,59.283)
RX: JP18.4 U4.34 | length 25.4
  Top Layer w0.254: U4.34@158.887,39.347 158.902,39.363 v1(158.902,44.069)
  Bottom Layer w0.254: JP18.4@139.59,47.397 142.919,44.069 v1(158.902,44.069)
SCL: R62.2 U2.1 U3.1 U4.36 | length 116.6
  Top Layer w0.254: U2.1@65.098,53.614 65.112,53.628 65.112,55.663 v1(65.126,55.677) ; v1(83.566,43.637) 84.83,43.637 U3.1@84.884,43.691 ; R62.2@160.909,35.687 160.909,37.001 161.417,37.509 v1(161.417,37.668) 161.417,39.337 U4.36@161.427,39.347
  Bottom Layer w0.254: v1(65.126,55.677) 73.889,55.677 75.514,54.051 75.514,44.475 76.352,43.637 v1(83.566,43.637) 85.7,43.637 88.468,40.869 158.217,40.869 v1(161.417,37.668)
SDA: R61.2 U2.2 U3.2 U4.33 | length 119.8
  Top Layer w0.254: U2.2@63.828,53.614 63.842,53.628 63.842,55.637 v1(63.856,55.651) ; U3.2@86.154,43.691 86.156,43.69 86.156,41.784 v1(86.157,41.783) ; U4.33@157.617,39.347 157.632,39.332 v1(157.632,37.668) 157.632,34.087 158.217,33.503 R61.2@160.909,33.503
  Bottom Layer w0.254: v1(63.856,55.651) 63.856,55.477 64.311,55.021 64.311,55.018 64.516,54.813 73.584,54.813 74.651,53.746 74.651,43.967 75.844,42.774 85.166,42.774 v1(86.157,41.783) 87.859,40.081 155.27,40.081 v1@157.632,37.719
TX: JP18.5 U4.35 | length 25.1
  Top Layer w0.254: v1(160.096,43.231) 160.096,39.408 U4.35@160.157,39.347
  Bottom Layer w0.254: JP18.5@139.59,44.857 141.217,43.231 v1(160.096,43.231)
pads on no net: H1.P H2.P H3.P H4.P J1_U_RS2321.1 J1_U_RS2321.4 J1_U_RS2321.6 J1_U_RS2321.7 J1_U_RS2321.8 J1_U_RS2321.9 J1_U_RS2322.1 J1_U_RS2322.4 J1_U_RS2322.6 J1_U_RS2322.7 J1_U_RS2322.8 J1_U_RS2322.9 J2_U_RS2321.1 J2_U_RS2321.4 J2_U_RS2321.6 J2_U_RS2321.7 J2_U_RS2321.8 J2_U_RS2321.9 J2_U_RS2322.1 J2_U_RS2322.4 J2_U_RS2322.6 J2_U_RS2322.7 J2_U_RS2322.8 J2_U_RS2322.9 SW1.3 SW1.4 U2.7 U3.7 U4.4 U4.5 U4.17 U4.18 U4.19 U4.20 U4.21 U4.22 U4.32

## Polygon pours and split planes (outlines as drawn)
GND_F on Top Layer "GND_F_L01_P010" (hatched 45Degree grid 1 track 0.203, remove dead copper, pour order 10): 120.015,101.879 209.677,101.879 209.779,101.778 209.779,0.025 119.888,0.025 119.913,0.051 119.913,24.308 117.272,26.949 44.475,26.949 44.247,26.721 44.247,6.858 42.799,5.41 8.865,5.41 7.264,7.01 7.264,68.275 8.407,69.418 15.062,69.418 15.088,69.393 15.088,63.627 16.231,62.484 22.86,62.484 25.933,65.557 25.933,73.127 120.037,73.127
GND on Top Layer "GND_L01_P008" (hatched 45Degree grid 1 track 0.203, remove dead copper, pour order 8): 118.466,101.854 118.339,101.981 -0.025,101.981 -0.025,-0.025 0,0 117.932,0 117.932,23.978 116.307,25.603 45.466,25.603 45.466,6.502 43.358,4.394 8.509,4.394 6.274,6.629 6.267,68.62 8.005,70.358 15.926,70.358 15.926,63.576 22.225,63.576 24.409,65.384 24.409,74.65 118.466,74.651
GND_F on Bottom Layer "GND_F_L02_P009" (hatched 45Degree grid 1 track 0.203, remove dead copper, pour order 9): 120.015,101.879 209.677,101.879 209.779,101.778 209.779,0.025 119.888,0.025 119.913,0.051 119.913,24.308 117.272,26.949 44.475,26.949 44.247,26.721 44.247,6.858 42.799,5.41 8.865,5.41 7.264,7.01 7.264,68.275 8.407,69.418 15.062,69.418 15.088,69.393 15.088,63.627 16.231,62.484 22.86,62.484 25.933,65.557 25.933,73.254 120.037,73.254
GND on Bottom Layer "GND_L02_P007" (hatched 45Degree grid 1 track 0.203, remove dead copper, pour order 7): 118.212,101.829 118.085,101.956 -0.279,101.956 -0.279,-0.051 -0.254,-0.025 117.678,-0.025 117.678,24.232 116.332,25.578 45.212,25.578 45.212,6.477 43.104,4.369 8.255,4.369 6.02,6.604 6.013,68.595 7.751,70.333 15.672,70.333 15.672,63.551 21.971,63.551 24.155,65.358 24.155,75.184 118.212,75.184

## Keep-outs
Keep-Out Layer:
  lines w0.4: -0.299,0.941 ccw(c0.643,0.889) 0.538,-0.048 ; -0.236,0.952 -0.236,101.202 ; -0.236,101.127 cw(c0.701,101.023) 0.753,101.964 ; 0.379,101.968 208.998,101.968 ; 0.588,-0.032 209.004,-0.032 ; 208.775,-0.035 ccw(c208.826,0.907) 209.763,0.802 ; 208.888,101.977 cw(c208.783,101.04) 209.725,100.989 ; 209.738,0.752 209.738,101.227

## Other copper
Top Layer:
  region net LM_Out+: 29.92,16.309 29.92,15.395 30.835,15.395 30.835,16.309
  region net LM_In+: 25.806,42.164 25.806,40.132 26.822,41.148

## Silkscreen, mask and mechanical layers (free items; w line width, h text height)
Top Overlay:
  text "Dout1" at 51.162,100.447 h1.6 r180
  text "Dout3" at 66.665,100.444 h1.6 r180
  text "Dout4" at 74.362,100.447 h1.6 r180
  text "Dout5" at 82.049,100.444 h1.6 r180
  text "Dout6" at 89.728,100.444 h1.6 r180
  text "Dout7" at 97.395,100.447 h1.6 r180
  text "Dout8" at 105.061,100.444 h1.6 r180
  text "ON/OFF KEY" at 39.45,100.418 h1.6 r180
  text "Dout2" at 58.884,100.396 h1.6 r180
  text "3.3V" at 43.72,100.368 h1.6 r180
  text "INPUT : 5~24V DC" at 28.63,100.266 h1.6 r180
  text "24V" at 43.231,93.169 h1.5 r180
  text "24V" at 5.49,77.387 h1.5 r90
  text "GND" at 5.498,74.008 h1.5 r90
  text "RESET" at 127.493,56.317 h1.6 r270
  text "3.3V EN IO0 RX TX GND" at 141.944,55.962 h1.5 r270
  text "X-Ray" at 176.17,51.815 h5
  text "Control Unnit" at 176.017,47.299 h5
  text "USER" at 127.493,45.345 h1.6 r270
  text "Rev 1" at 176.604,44.874 h2
  text "24V" at 4.957,32.53 h1.5 r90
  text "GND" at 4.964,29.152 h1.5 r90
  text "3.3V" at 4.964,25.901 h1.5 r90
  text "Din3" at 63.548,1.892 h1.6
  text "Din5" at 78.701,1.892 h1.6
  text "Din6" at 86.282,1.892 h1.6
  text "Din8" at 101.416,1.892 h1.6
  text "Din1" at 48.607,1.873 h1.6
  text "Din2" at 55.997,1.873 h1.6
  text "Din4" at 71.11,1.873 h1.6
  text "Din7" at 93.856,1.873 h1.6
Bottom Overlay:
  lines w0.254: 31.114,21.542 31.902,21.542 31.902,13.591 31.876,13.566 31.14,13.566 31.14,12.779 35.94,12.779 35.94,22.329 35.915,22.354 31.114,22.354 31.114,21.542 ; 138.351,41.046 140.841,41.046 140.866,41.02 140.866,56.311 138.351,56.311 138.351,41.046

## Text inside footprints (layer, text, board x,y; h text height)
H1: Top Overlay "3.0" at 11.176,89.408 h1.4 r45
H2: Top Overlay "3.0" at 11.176,7.366 h1.4 r45
H3: Top Overlay "3.0" at 201.041,7.493 h1.4 r45
H4: Top Overlay "3.0" at 201.041,89.408 h1.4 r45
U4: Mechanical 4 "ANTENNA" at 167.11,54.089 h1.5 r270; Mechanical 4 "ANTENNA" at 167.11,54.089 h1.5 r270